# Allegro board RK_EXCAVATOR_MAIN_V12_20161114_FZBFINAL.brd (continued)
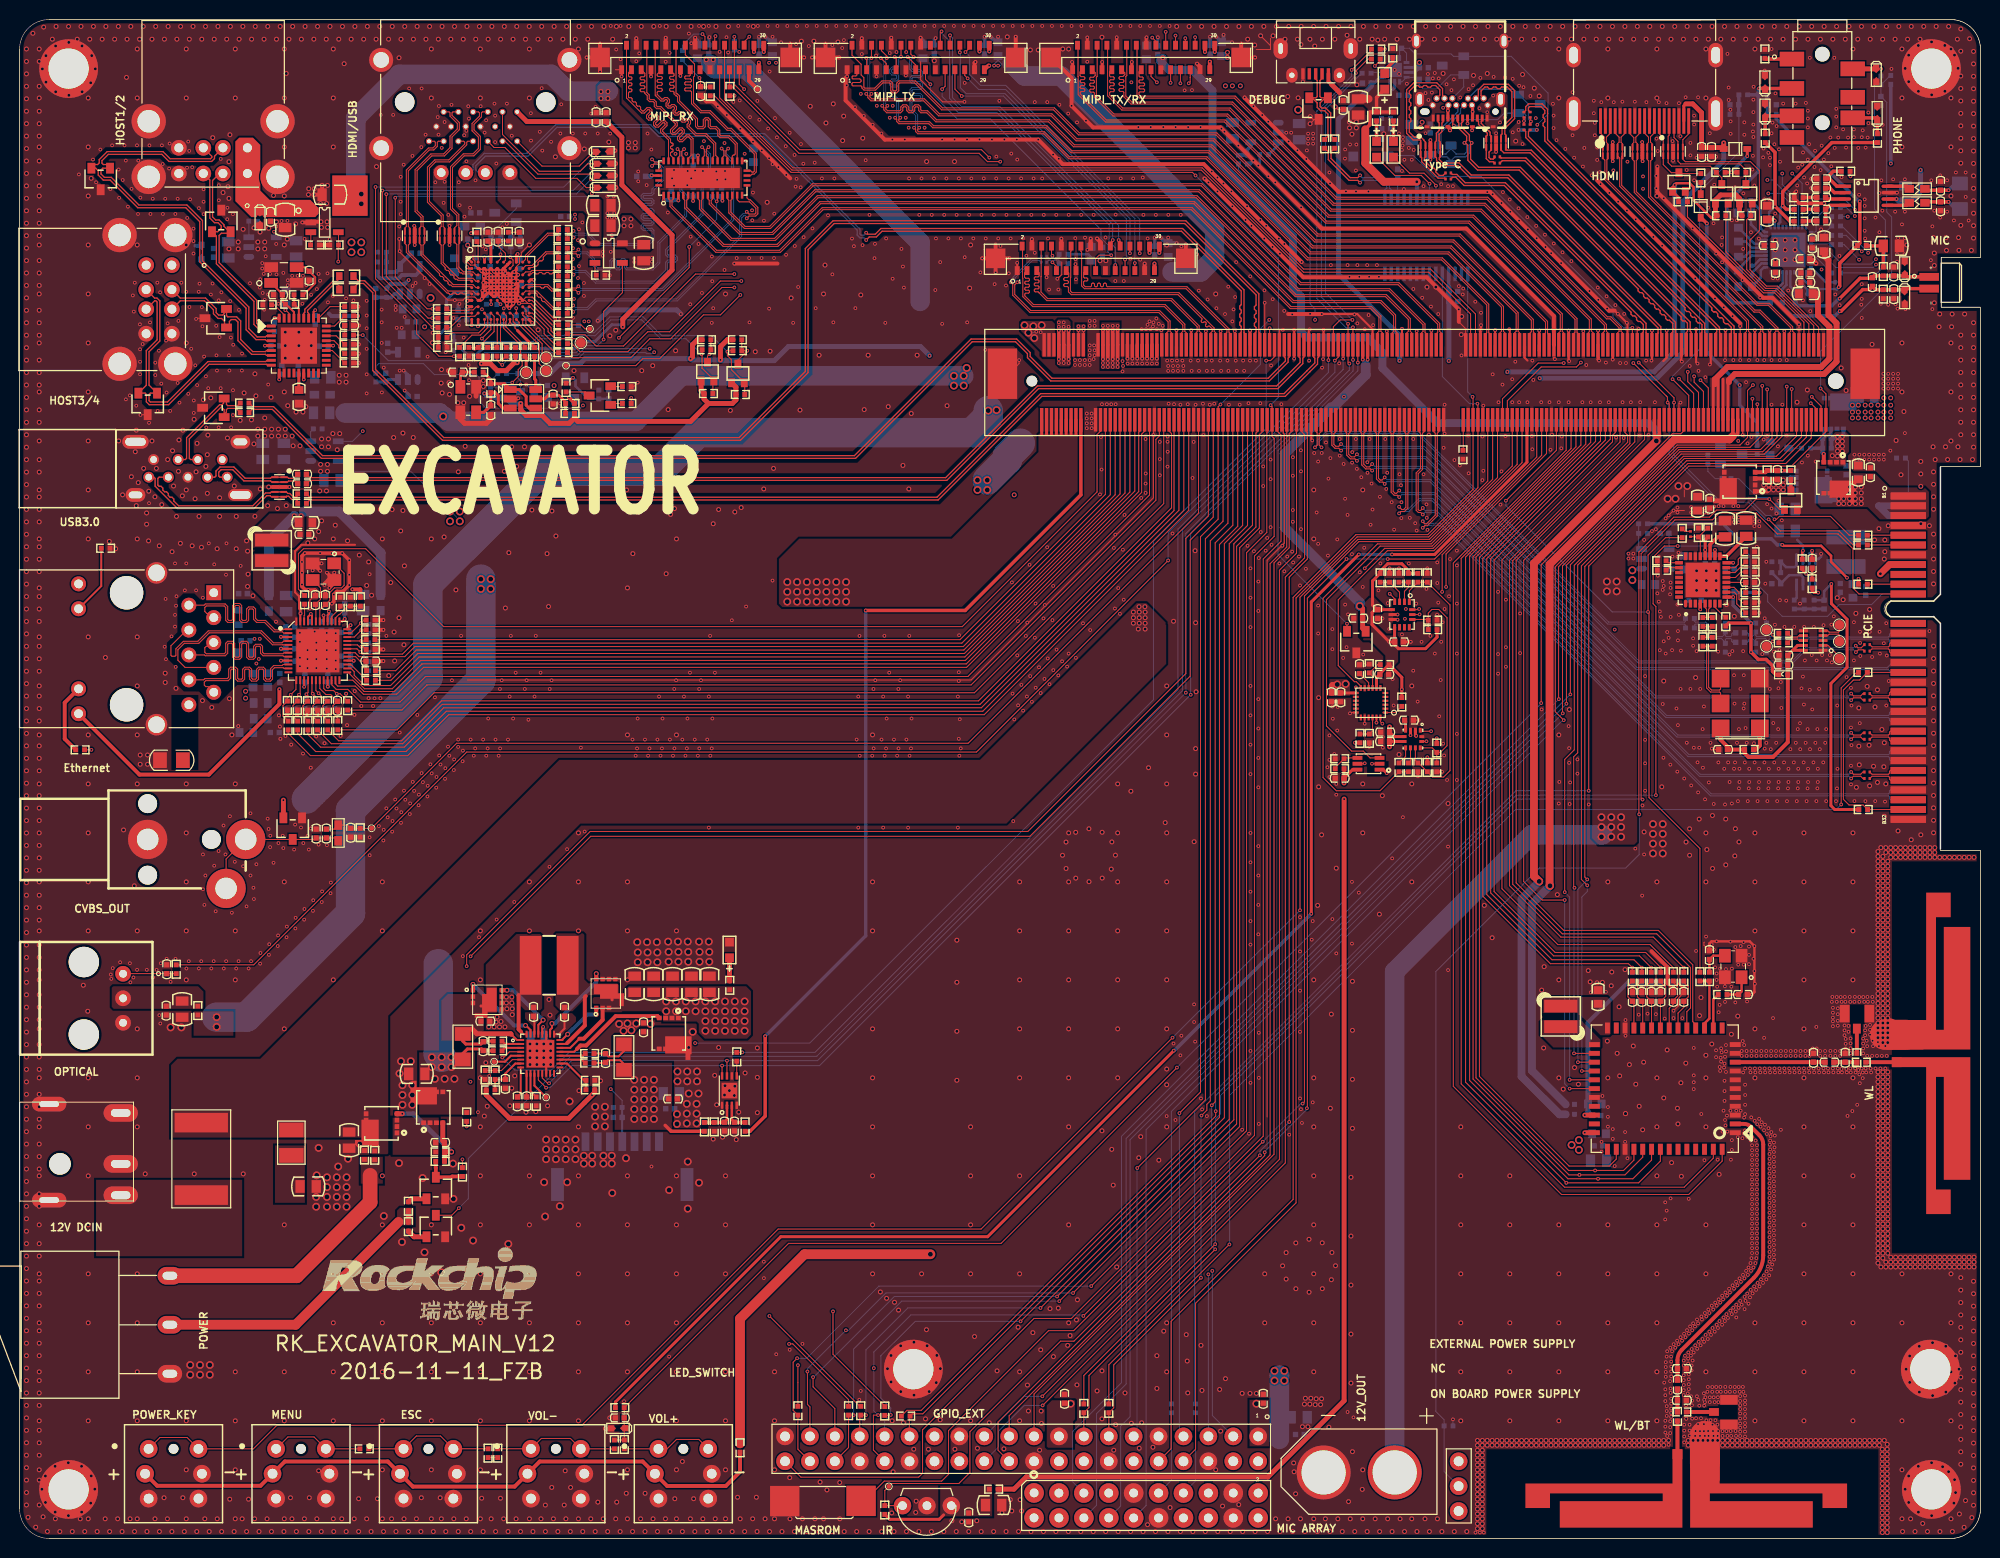
[diagram p0: board, top side]
## Routing (per net, layer and track width the routed paths; a pad name or vN(x,y) marks a point on that pad's centre or on a via; arc(x,y) is an arc through that point) (continued)
v2(131.99,154.3) v2(132,107) v2(132,102) v2(132,57) v2(132,47) v2(132,42) v2(132,37) v2(132,32) v2(132,27) v2(132,22) v2(132,17) v2(132,2) v2(132.1,152.3) v2(132.15,13.65) v2(132.25,14.25) v2(132.4,64.6) v2(132.37,0.7) v2(132.5,85.8) v2(132.5,76.7) v2(132.7,13.65) v2(132.8,71.8) v2(132.8,14.25) v2(132.88,153) v2(132.87,30.16) v2(132.88,25.49) v2(133.19,2) v2(133.26,154.3) v2(133.55,11.35) v2(133.64,0.7) v2(133.7,43.9) v2(133.8,53.5) v2(133.8,26.4) v2(133.86,29.18) v2(134.15,153) v2(134.22,27.83) v2(134.3,68.4) v2(134.53,154.3) v2(134.46,2) v2(134.91,0.7) v2(135.4,153.4) v2(135.55,3.75) v2(135.65,143.95) v2(135.73,2) v2(135.8,154.3) v2(135.8,36.85) v2(135.8,30.85) v2(135.8,25.85) v2(135.8,20.85) v2(135.8,15.85) v2(135.9,143.3) v2(135.95,56.85) v2(135.95,51.85) v2(135.95,46.85) v2(135.95,41.85) v2(135.95,8.85) v2(136.18,0.7) v2(136.35,143.95) v2(136.69,153) v2(136.95,5) v2(137,107) v2(137,77) v2(137,72) v2(137,7) v2(137,2) v2(137.07,154.3) v2(137.45,0.7) v2(137.96,153) v2(138.34,154.3) v2(138.27,2) v2(138.54,152.91) v2(138.7,63.7) v2(138.72,0.7) v2(139,75.8) v2(139.23,153) v2(139.15,143.35) v2(139.54,2) v2(139.61,154.3) v2(139.99,0.7) v2(140.5,153) v2(140.7,80) v2(140.81,2) v2(140.88,154.3) v2(141.26,0.7) v2(141.77,153) v2(142,87) v2(142,77) v2(142,67) v2(142,2) v2(142.15,154.3) v2(142.53,0.7) v2(143.04,153) v2(143.35,2) v2(143.42,154.3) v2(143.55,127.7) v2(143.8,0.7) v2(144.31,153) v2(144.45,127.7) v2(144.62,2) v2(144.69,154.3) v2(145.07,0.7) v2(145.2,149.5) v2(145.58,153) v2(145.7,75) v2(145.96,154.3) v2(146.34,0.7) v2(146.85,153) v2(147,42) v2(147,37) v2(147,32) v2(147,27) v2(147,22) v2(147,17) v2(147,12) v2(147.1,124.7) v2(147.05,122.85) v2(147.23,154.3) v2(147.61,0.7) v2(148.12,153) v2(148.3,149.3) v2(148.5,154.3) v2(148.7,10) v2(148.7,9.5) v2(148.7,9) v2(148.7,8.5) v2(148.7,8) v2(148.7,7.5) v2(148.7,7) v2(148.7,6.5) v2(148.7,6) v2(148.7,5.5) v2(148.7,5) v2(148.7,4.5) v2(148.7,4) v2(148.7,3.5) v2(148.7,3) v2(148.7,2.5) v2(148.7,2) v2(148.7,1.5) v2(148.7,1) v2(149.2,10) v2(149.2,9.5) v2(149.2,9) v2(149.2,8.5) v2(149.2,8) v2(149.2,7.5) v2(149.2,7) v2(149.2,6.5) v2(149.2,6) v2(149.2,5.5) v2(149.2,5) v2(149.2,4.5) v2(149.2,4) v2(149.2,3.5) v2(149.2,3) v2(149.2,2.5) v2(149.2,2) v2(149.2,1.5) v2(149.2,1) v2(149.39,153) v2(149.4,64.6) v2(149.7,149.5) v2(149.7,10) v2(149.7,9.5) v2(149.77,154.3) v2(150.2,61.3) v2(150.2,10) v2(150.2,9.5) v2(150.66,153) v2(150.7,10) v2(150.7,9.5) v2(151.04,154.3) v2(151.2,10) v2(151.2,9.5) v2(151.7,10) v2(151.7,9.5) v2(151.93,153) v2(152,37) v2(152,32) v2(152,27) v2(152,22) v2(152,17) v2(152,12) v2(152.2,10) v2(152.2,9.5) v2(152.31,154.3) v2(152.6,142.6) v2(152.7,10) v2(152.7,9.5) v2(153.2,153) v2(153.2,10) v2(153.2,9.5) v2(153.3,149.4) v2(153.58,154.3) v2(153.7,10) v2(153.7,9.5) v2(154.2,10) v2(154.2,9.5) v2(154.47,153) v2(154.5,148) v2(154.7,10) v2(154.7,9.5) v2(154.85,154.3) v2(155,147.2) v2(155.2,10) v2(155.2,9.5) v2(155.25,55.95) v2(155.5,58.35) v2(155.45,50.05) v2(155.74,153) v2(155.7,10) v2(155.7,9.5) v2(156.12,154.3) v2(156.2,10) v2(156.2,9.5) v2(156.7,10) v2(156.7,9.5) v2(156.85,65.7) v2(157.01,153) v2(157,152) v2(157,147) v2(157,82) v2(157,57) v2(157,47) v2(157,32) v2(157,27) v2(157,22) v2(157,17) v2(157,12) v2(157.2,10) v2(157.2,9.5) v2(157.39,154.3) v2(157.45,45.85) v2(157.7,10) v2(157.7,9.5) v2(158.07,84.59) v2(158.2,10) v2(158.2,9.5) v2(158.28,153) v2(158.6,48.05) v2(158.66,154.3) v2(158.7,10) v2(158.7,9.5) v2(159,46.35) v2(159.2,10) v2(159.2,9.5) v2(159.55,153) v2(159.7,10) v2(159.7,9.5) v2(159.93,154.3) v2(160,57.95) v2(160.2,56.8) v2(160.2,10) v2(160.2,9.5) v2(160.7,10) v2(160.7,9.5) v2(160.82,153) v2(160.9,56.7) v2(161.2,154.3) v2(161.2,10) v2(161.2,9.5) v2(161.45,56.75) v2(161.7,10) v2(161.7,9.5) v2(162,152) v2(162,147) v2(162,67) v2(161.95,50.75) v2(162,47) v2(162,32) v2(162,27) v2(162,22) v2(162,17) v2(162,12) v2(162.09,153) v2(162.2,10) v2(162.2,9.5) v2(162.4,57.8) v2(162.35,56.4) v2(162.47,154.3) v2(162.7,10) v2(162.7,9.5) v2(162.95,49.5) v2(163.15,54.25) v2(163.2,47.2) v2(163.2,10) v2(163.2,9.5) v2(163.36,153) v2(163.74,154.3) v2(163.75,58.05) v2(163.7,10) v2(163.7,9.5) v2(163.8,43.35) v2(163.8,43.35) v2(164.2,48.35) v2(164.2,10) v2(164.2,9.5) v2(164.63,153) v2(164.6,50.25) v2(164.7,10) v2(164.7,9.5) v2(164.85,46.35) v2(165.01,154.3) v2(165.2,44.1) v2(165.2,10) v2(165.2,9.5) v2(165.55,41.7) v2(165.7,72.1) v2(165.65,48.6) v2(165.7,10) v2(165.7,9.5) v2(165.9,153) v2(166.2,10) v2(166.2,9.5) v2(166.28,154.3) v2(166.7,10) v2(166.7,9.5) v2(167,152) v2(167,147) v2(167,137) v2(167,67) v2(167,47) v2(167,42) v2(167,37) v2(167,32) v2(167,27) v2(167,22) v2(167,17) v2(167,12) v2(167.17,153) v2(167.2,10) v2(167.2,9.5) v2(167.55,154.3) v2(167.5,76.7) v2(167.7,87.5) v2(167.7,44.95) v2(167.7,10) v2(167.7,9.5) v2(168.05,49.85) v2(168.2,10) v2(168.44,153) v2(168.5,38.35) v2(168.82,154.3) v2(169.1,43.9) v2(169.15,42.3) v2(169.45,46.5) v2(169.5,36.95) v2(169.71,153) v2(169.97,71.07) v2(169.95,48.5) v2(170.09,154.3) v2(170.2,10) v2(170.2,9.5) v2(170.33,72.42) v2(170.34,69.72) v2(170.7,10) v2(170.98,153) v2(170.95,87.85) v2(171.05,98.75) v2(171.05,97.75) v2(171.05,96.75) v2(171.2,10) v2(171.32,73.41) v2(171.36,154.3) v2(171.35,53.35) v2(171.5,55.2) v2(171.7,10) v2(172,152) v2(172,147) v2(172,72) v2(172,67) v2(172,49.3) v2(172,47) v2(172,42) v2(172,32) v2(172,27) v2(172,17) v2(172.05,98.75) v2(172.05,97.75) v2(172.05,96.75) v2(172.1,70.3) v2(172.2,10) v2(172.25,153) v2(172.63,154.3) v2(172.6,50.45) v2(172.67,73.77) v2(172.68,68.37) v2(172.7,10) v2(173.05,98.75) v2(173.05,97.75) v2(173.05,96.75) v2(173.2,10) v2(173.35,37.15) v2(173.52,153) v2(173.7,10) v2(173.7,9.5) v2(173.9,154.3) v2(174.02,73.41) v2(174.03,68.74) v2(174.1,95.3) v2(174.2,10) v2(174.2,9.5) v2(174.6,51.45) v2(174.7,10) v2(174.7,9.5) v2(174.79,153) v2(174.9,94.1) v2(174.95,69.65) v2(175.01,72.43) v2(175.17,154.3) v2(175.2,10) v2(175.2,9.5) v2(175.25,53.3) v2(175.37,71.08) v2(175.7,10) v2(175.7,9.5) v2(176.06,153) v2(176.2,10) v2(176.2,9.5) v2(176.44,154.3) v2(176.7,10) v2(176.7,9.5) v2(177,152) v2(177,72) v2(177,67) v2(177,62) v2(177,52) v2(177,47) v2(177,22) v2(177,17) v2(177,12) v2(177.2,10) v2(177.2,9.5) v2(177.33,153) v2(177.71,154.3) v2(177.7,10) v2(177.7,9.5) v2(178.2,10) v2(178.2,9.5) v2(178.6,153) v2(178.7,10) v2(178.7,9.5) v2(178.98,154.3) v2(179.09,132.5) v2(179.09,131.5) v2(179.09,130.5) v2(179.2,10) v2(179.2,9.5) v2(179.7,10) v2(179.7,9.5) v2(179.87,153) v2(180.09,132.5) v2(180.09,131.5) v2(180.09,130.5) v2(180.25,154.3) v2(180.2,10) v2(180.2,9.5) v2(180.7,10) v2(180.7,9.5) v2(181.14,153) v2(181.09,132.5) v2(181.09,131.5) v2(181.09,130.5) v2(181.2,10) v2(181.2,9.5) v2(181.3,115.95) v2(181.52,154.3) v2(181.7,10) v2(181.7,9.5) v2(182,72) v2(182,67) v2(182,62) v2(182,57) v2(182,52) v2(182,47) v2(182,42) v2(182,37) v2(182,32) v2(182,27) v2(182,22) v2(182,17) v2(182,12) v2(182.2,10) v2(182.2,9.5) v2(182.41,153) v2(182.35,117.2) v2(182.7,10) v2(182.7,9.5) v2(182.79,154.3) v2(183.2,10) v2(183.2,9.5) v2(183.68,153) v2(183.7,10) v2(183.7,9.5) v2(184.06,154.3) v2(184.2,10) v2(184.2,9.5) v2(184.7,10) v2(184.7,9.5) v2(184.95,153) v2(185.2,10) v2(185.2,9.5) v2(185.33,154.3) v2(185.7,10) v2(185.7,9.5) v2(185.8,119.45) v2(186,95.8) v2(186.22,153) v2(186.2,10) v2(186.2,9.5) v2(186.3,117.15) v2(186.6,154.3) v2(186.7,10) v2(186.7,9.5) v2(187,152) v2(187,72) v2(187,67) v2(187,62) v2(187,57) v2(187,47) v2(187,42) v2(187,37) v2(187,32) v2(187,27) v2(187,22) v2(187,17) v2(187,12) v2(187.2,10) v2(187.2,9.5) v2(187.3,94.4) v2(187.35,76.65) v2(187.49,153) v2(187.6,84.75) v2(187.6,80.85) v2(187.65,78.95) v2(187.7,10) v2(187.7,9.5) v2(187.87,154.3) v2(188.2,10) v2(188.2,9.5) v2(188.45,86.95) v2(188.7,94.8) v2(188.65,80.95) v2(188.7,76.8) v2(188.7,10) v2(188.7,9.5) v2(188.76,153) v2(188.95,121.85) v2(189.14,154.3) v2(189.1,78.8) v2(189.2,101.9) v2(189.2,10) v2(189.2,9.5) v2(189.25,84.85) v2(189.5,86.6) v2(189.5,77.15) v2(189.55,70.1) v2(189.55,69.6) v2(189.55,69.1) v2(189.55,68.6) v2(189.55,68.1) v2(189.55,67.6) v2(189.55,67.1) v2(189.55,66.6) v2(189.55,66.1) v2(189.55,65.6) v2(189.55,65.1) v2(189.55,64.6) v2(189.55,64.1) v2(189.55,63.6) v2(189.55,63.1) v2(189.55,62.6) v2(189.55,62.1) v2(189.55,61.6) v2(189.55,61.1) v2(189.55,60.6) v2(189.55,60.1) v2(189.55,59.6) v2(189.55,59.1) v2(189.55,58.6) v2(189.55,58.1) v2(189.55,57.6) v2(189.55,57.1) v2(189.55,56.6) v2(189.55,56.1) v2(189.55,55.6) v2(189.55,55.1) v2(189.55,54.6) v2(189.55,54.1) v2(189.55,53.6) v2(189.55,53.1) v2(189.55,52.6) v2(189.55,52.1) v2(189.55,51.6) v2(189.55,51.1) v2(189.55,47.6) v2(189.55,47.1) v2(189.55,46.6) v2(189.55,46.1) v2(189.55,45.6) v2(189.55,45.1) v2(189.55,44.6) v2(189.55,44.1) v2(189.55,43.6) v2(189.55,43.1) v2(189.55,42.6) v2(189.55,42.1) v2(189.55,41.6) v2(189.55,41.1) v2(189.55,40.6) v2(189.55,40.1) v2(189.55,39.6) v2(189.55,39.1) v2(189.55,38.6) v2(189.55,38.1) v2(189.55,37.6) v2(189.55,37.1) v2(189.55,36.6) v2(189.55,36.1) v2(189.55,35.6) v2(189.55,35.1) v2(189.55,34.6) v2(189.55,34.1) v2(189.55,33.6) v2(189.55,33.1) v2(189.55,32.6) v2(189.55,32.1) v2(189.55,31.6) v2(189.55,31.1) v2(189.55,30.6) v2(189.55,30.1) v2(189.55,29.6) v2(189.55,29.1) v2(189.55,28.6) v2(189.55,28.1) v2(189.65,103.05) v2(189.7,10) v2(189.7,9.5) v2(189.85,70.5) v2(189.85,27.7) v2(190.03,153) v2(189.95,82.55) v2(190.05,69.6) v2(190.05,69.1) v2(190.05,68.6) v2(190.05,68.1) v2(190.05,67.6) v2(190.05,67.1) v2(190.05,66.6) v2(190.05,66.1) v2(190.05,65.6) v2(190.05,65.1) v2(190.05,64.6) v2(190.05,64.1) v2(190.05,63.6) v2(190.05,63.1) v2(190.05,62.6) v2(190.05,62.1) v2(190.05,61.6) v2(190.05,61.1) v2(190.05,60.6) v2(190.05,60.1) v2(190.05,59.6) v2(190.05,59.1) v2(190.05,58.6) v2(190.05,58.1) v2(190.05,57.6) v2(190.05,57.1) v2(190.05,56.6) v2(190.05,56.1) v2(190.05,55.6) v2(190.05,55.1) v2(190.05,54.6) v2(190.05,54.1) v2(190.05,53.6) v2(190.05,53.1) v2(190.05,52.6) v2(190.05,52.1) v2(190.05,51.6) v2(190.05,51.1) v2(190.05,50.6) v2(190.05,47.6) v2(190.05,47.1) v2(190.05,46.6) v2(190.05,46.1) v2(190.05,45.6) v2(190.05,45.1) v2(190.05,44.6) v2(190.05,44.1) v2(190.05,43.6) v2(190.05,43.1) v2(190.05,42.6) v2(190.05,42.1) v2(190.05,41.6) v2(190.05,41.1) v2(190.05,40.6) v2(190.05,40.1) v2(190.05,39.6) v2(190.05,39.1) v2(190.05,38.6) v2(190.05,38.1) v2(190.05,37.6) v2(190.05,37.1) v2(190.05,36.6) v2(190.05,36.1) v2(190.05,35.6) v2(190.05,35.1) v2(190.05,34.6) v2(190.05,34.1) v2(190.05,33.6) v2(190.05,33.1) v2(190.05,32.6) v2(190.05,32.1) v2(190.05,31.6) v2(190.05,31.1) v2(190.05,30.6) v2(190.05,30.1) v2(190.05,29.6) v2(190.05,29.1) v2(190.05,28.6) v2(190,9.1) v2(190,8.6) v2(190,8.1) v2(190,7.6) v2(190,7.1) v2(190,6.6) v2(190,6.1) v2(190,5.6) v2(190,5.1) v2(190,4.6) v2(190,4.1) v2(190,3.6) v2(190,3.1) v2(190,2.6) v2(190,2.1) v2(190,1.6) v2(190,1.1) v2(190,0.6) v2(190.2,99.95) v2(190.2,81.2) v2(190.15,78.75) v2(190.2,73.7) v2(190.2,10) v2(190.25,101.9) v2(190.25,100.7) v2(190.35,70.5) v2(190.35,70) v2(190.35,28.2) v2(190.35,27.7) v2(190.41,154.3) v2(190.35,77) v2(190.55,69.1) v2(190.55,68.6) v2(190.55,68.1) v2(190.55,67.6) v2(190.55,67.1) v2(190.55,66.6) v2(190.55,66.1) v2(190.55,65.6) v2(190.55,65.1) v2(190.55,64.6) v2(190.55,64.1) v2(190.55,63.6) v2(190.55,63.1) v2(190.55,62.6) v2(190.55,62.1) v2(190.55,61.6) v2(190.55,61.1) v2(190.55,60.6) v2(190.55,60.1) v2(190.55,59.6) v2(190.55,59.1) v2(190.55,58.6) v2(190.55,58.1) v2(190.55,57.6) v2(190.55,57.1) v2(190.55,56.6) v2(190.55,56.1) v2(190.55,55.6) v2(190.55,55.1) v2(190.55,54.6) v2(190.55,54.1) v2(190.55,53.6) v2(190.55,53.1) v2(190.55,52.6) v2(190.55,52.1) v2(190.55,51.1) v2(190.55,50.6) v2(190.55,47.6) v2(190.55,47.1) v2(190.55,46.6) v2(190.55,46.1) v2(190.55,45.6) v2(190.55,45.1) v2(190.55,44.6) v2(190.55,44.1) v2(190.55,43.6) v2(190.55,43.1) v2(190.55,42.6) v2(190.55,42.1) v2(190.55,41.6) v2(190.55,41.1) v2(190.55,40.6) v2(190.55,40.1) v2(190.55,39.6) v2(190.55,39.1) v2(190.55,38.6) v2(190.55,38.1) v2(190.55,37.6) v2(190.55,37.1) v2(190.55,36.6) v2(190.55,36.1) v2(190.55,35.6) v2(190.55,35.1) v2(190.55,34.6) v2(190.55,34.1) v2(190.55,33.6) v2(190.55,33.1) v2(190.55,32.6) v2(190.55,32.1) v2(190.55,31.6) v2(190.55,31.1) v2(190.55,30.6) v2(190.55,30.1) v2(190.55,29.6) v2(190.55,29.1) v2(190.5,9.6) v2(190.5,9.1) v2(190.5,8.6) v2(190.5,8.1) v2(190.5,7.6) v2(190.5,7.1) v2(190.5,6.6) v2(190.5,6.1) v2(190.5,5.6) v2(190.5,5.1) v2(190.5,4.6) v2(190.5,4.1) v2(190.5,3.6) v2(190.5,3.1) v2(190.5,2.6) v2(190.5,2.1) v2(190.5,1.6) v2(190.5,1.1) v2(190.5,0.6) v2(190.6,103.35) v2(190.85,70.5) v2(190.85,70) v2(190.85,69.5) v2(190.85,28.7) v2(190.85,28.2) v2(190.85,27.7) v2(191.3,153) v2(191.35,70.5) v2(191.35,70) v2(191.35,69.5) v2(191.35,28.7) v2(191.35,28.2) v2(191.35,27.7) v2(191.4,112.05) v2(191.6,72.2) v2(191.68,154.3) v2(191.85,70.5) v2(191.85,70) v2(191.85,69.5) v2(191.85,28.7) v2(191.85,28.2) v2(191.85,27.7) v2(191.9,108.55) v2(192,152) v2(192,147) v2(192,142) v2(192,122) v2(192,117) v2(192,27) v2(192,22) v2(192,12) v2(192,7) v2(192,2) v2(192.06,0.7) v2(192.2,115) v2(192.32,150.02) v2(192.35,70.5) v2(192.35,70) v2(192.35,69.5) v2(192.35,28.7) v2(192.35,28.2) v2(192.35,27.7) v2(192.32,5.02) v2(192.42,17.27) v2(192.5,132) v2(192.57,153) v2(192.68,151.37) v2(192.69,148.67) v2(192.68,6.37) v2(192.69,3.67) v2(192.85,70.5) v2(192.85,70) v2(192.85,69.5) v2(192.85,28.7) v2(192.85,28.2) v2(192.85,27.7) v2(192.78,18.62) v2(192.79,15.92) v2(192.95,154.3) v2(192.88,2) v2(192.95,71.3) v2(193.33,0.7) v2(193.35,70.5) v2(193.35,70) v2(193.35,69.5) v2(193.35,28.7) v2(193.35,28.2) v2(193.35,27.7) v2(193.67,152.36) v2(193.68,147.68) v2(193.67,7.36) v2(193.68,2.68) v2(193.84,153) v2(193.77,19.61) v2(193.78,14.93) v2(193.92,109.91) v2(193.92,108.64) v2(193.92,107.37) v2(193.92,103.56) v2(193.92,71.81) v2(193.85,70.5) v2(193.85,70) v2(193.85,69.5) v2(193.85,28.7) v2(193.85,28.2) v2(193.85,27.7) v2(194.11,1.52) v2(194.22,154.3) v2(194.35,70.5) v2(194.35,70) v2(194.35,69.5) v2(194.35,28.7) v2(194.35,28.2) v2(194.35,27.7) v2(194.6,0.7) v2(194.8,103.35) v2(194.85,70.5) v2(194.85,70) v2(194.85,69.5) v2(194.85,28.7) v2(194.85,28.2) v2(194.85,27.7) v2(195.02,152.72) v2(195.03,147.32) v2(195.02,7.72) v2(195.03,2.32) v2(195.12,19.97) v2(195.13,14.57) v2(195.23,132.75) v2(195.17,111.4) v2(195.22,108.84) v2(195.22,107.57) v2(195.22,106.3) v2(195.22,105.03) v2(195.22,102.49) v2(195.22,101.22) v2(195.22,99.95) v2(195.22,98.68) v2(195.22,97.41) v2(195.22,91.06) v2(195.22,89.79) v2(195.22,88.52) v2(195.22,87.25) v2(195.22,85.98) v2(195.22,84.71) v2(195.22,83.44) v2(195.22,82.17) v2(195.22,80.9) v2(195.22,79.63) v2(195.22,78.36) v2(195.22,77.09) v2(195.22,75.82) v2(195.22,74.55) v2(195.22,73.28) v2(195.22,72.01) v2(195.3,131.18) v2(195.3,129.91) v2(195.3,126.1) v2(195.39,110.1) v2(195.35,70.5) v2(195.35,70) v2(195.35,69.5) v2(195.35,28.7) v2(195.35,28.2) v2(195.35,27.7) v2(195.49,154.3) v2(195.85,124.95) v2(195.79,123.65) v2(195.85,69.5) v2(195.85,28.7) v2(195.85,28.2) v2(195.85,27.7) v2(195.87,0.7) v2(196.15,7.32) v2(196.37,152.36) v2(196.38,147.69) v2(196.44,111.4) v2(196.35,69.5) v2(196.35,28.7) v2(196.35,28.2) v2(196.35,27.7) v2(196.38,2.69) v2(196.5,132.75) v2(196.54,131.45) v2(196.47,19.61) v2(196.48,14.94) v2(196.66,110.1) v2(196.76,154.3) v2(196.76,6.81) v2(196.85,69.5) v2(196.85,28.7) v2(196.85,28.2) v2(196.85,27.7) v2(197,152) v2(197,147) v2(197,142) v2(197,137) v2(197,122) v2(197,117) v2(197,112) v2(197,27) v2(197,22) v2(197,17) v2(197,12) v2(197,2) v2(197.12,124.95) v2(197.06,123.65) v2(197.14,0.7) v2(197.3,3.6) v2(197.36,151.38) v2(197.35,69.5) v2(197.35,28.7) v2(197.35,28.2) v2(197.35,27.7) v2(197.4,15.85) v2(197.37,5.99) v2(197.46,18.63) v2(197.47,4.67) v2(197.65,153) v2(197.72,150.03) v2(197.71,111.4) v2(197.77,132.75) v2(197.81,131.45) v2(197.82,17.28) v2(197.93,110.1) v2(197.85,69.5) v2(197.85,28.7) v2(197.85,28.2) v2(197.85,27.7) v2(197.86,2.49) v2(198,154.05) v2(198,151.78) v2(198,149.24) v2(198,147.97) v2(198,146.7) v2(198,145.43) v2(198,144.16) v2(198,142.89) v2(198,141.62) v2(198,140.35) v2(198,134) v2(198,122.8) v2(198,121.53) v2(198,120.26) v2(198,118.99) v2(198,117.72) v2(198,116.45) v2(198,115.18) v2(198,113.91) v2(198,112.64) v2(198,26.61) v2(198,25.34) v2(198,24.07) v2(198,22.8) v2(198,21.53) v2(198,20.26) v2(198,18.99) v2(198,16.45) v2(198,15.18) v2(198,13.91) v2(198,12.64) v2(198,11.37) v2(198,10.1) v2(198,8.83) v2(198,7.56) v2(198.34,1.13) v2(198.39,124.95) v2(198.35,69.5) v2(198.35,28.7) v2(198.35,28.2) v2(198.35,27.7) v2(198.48,3.86) v2(198.9,153.05) v2(198.85,69.5) v2(198.85,28.7) v2(198.85,28.2) v2(198.85,27.7) v2(199.08,131.45) v2(199.13,2.12) v2(199.2,110.1) v2(199.3,151.75) v2(199.3,150.48) v2(199.3,149.21) v2(199.3,147.94) v2(199.3,146.67) v2(199.3,145.4) v2(199.3,144.13) v2(199.3,142.86) v2(199.3,141.59) v2(199.3,140.32) v2(199.3,139.05) v2(199.3,137.78) v2(199.3,136.51) v2(199.3,135.24) v2(199.3,133.97) v2(199.3,132.7) v2(199.3,124.07) v2(199.3,122.8) v2(199.3,121.53) v2(199.3,120.26) v2(199.3,118.99) v2(199.3,117.72) v2(199.3,116.45) v2(199.3,115.18) v2(199.3,113.91) v2(199.3,112.64) v2(199.3,111.37) v2(199.35,69.5) v2(199.35,28.7) v2(199.35,28.2) v2(199.35,27.7) v2(199.3,26.24) v2(199.3,24.97) v2(199.3,23.7) v2(199.3,22.43) v2(199.3,21.16) v2(199.3,19.89) v2(199.3,18.62) v2(199.3,17.35) v2(199.3,16.08) v2(199.3,14.81) v2(199.3,13.54) v2(199.3,12.27) v2(199.3,11) v2(199.3,9.73) v2(199.3,8.46) v2(199.3,7.19) v2(199.3,5.92) v2(199.3,4.65) v2(199.3,3.38) v3(15.4,52.15) v3(16.5,52.15) v3(17.4,17.7) v3(17.4,16.7) v3(18.4,17.7) v3(18.4,16.7) v3(19.4,17.7) v3(19.4,16.7) v3(30.3,37.05) v3(30.25,34.85) v3(30.25,33.85) v3(30.5,39.85) v3(31.35,36.85) v3(31.35,35.85) v3(31.35,34.85) v3(31.35,33.85) v3(32.35,36.85) v3(32.35,35.85) v3(32.35,34.85) v3(32.35,33.85) v3(32.5,37.95) v3(33.35,36.85) v3(33.35,35.85) v3(33.35,34.85) v3(33.35,33.85) v3(33.5,38.75) v3(34.7,40.25) v3(37.15,32.9) v3(38.75,47.45) v3(38.7,38.3) v3(38.9,48.7) v3(39.05,46.25) v3(39.05,45.25) v3(39.05,44.25) v3(39,30.25) v3(39.9,48.7) v3(40.05,46.25) v3(40.05,45.25) v3(40.05,44.25) v3(41.1,36.78) v3(41.3,29.2) v3(43,27.15) v3(44.2,38.25) v3(44.25,34.65) v3(45.05,31.7) v3(46.25,30.4) v3(49.85,30.05) v3(53.5,36.35) v3(53.6,32.85) v3(53.7,40.7) v3(53.7,39.7) v3(53.7,38.7) v3(54.7,40.7) v3(54.7,39.7) v3(54.7,38.7) v3(55.1,33.9) v3(55.7,40.7) v3(55.7,39.7) v3(55.7,38.7) v3(55.85,36.35) v3(56.1,44.6) v3(56.7,40.7) v3(56.7,39.7) v3(56.7,38.7) v3(57.55,39.05) v3(57.55,38.25) v3(58.4,39.05) v3(58.4,38.25) v3(58.7,44.05) v3(58.7,43.05) v3(58.7,42.05) v3(59.55,39.05) v3(59.55,38.25) v3(59.7,44.05) v3(59.7,43.05) v3(59.7,42.05) v3(60.4,39.05) v3(60.4,38.25) v3(60.45,35.25) v3(61.15,52.5) v3(61.6,51.8) v3(61.85,38.8) v3(62,52.55) v3(62.4,51.85) v3(62.9,52.55) v3(63,60.85) v3(63.05,59.8) v3(63.05,58.8) v3(64,60.85) v3(64.05,59.8) v3(64.05,58.8) v3(64.35,52.5) v3(65,60.85) v3(65.05,59.8) v3(65.05,58.8) v3(66.15,60.9) v3(66.2,59.85) v3(66.2,58.85) v3(66.25,35.55) v3(67.1,47.65) v3(67.1,46.65) v3(67.05,43.3) v3(67.05,42.3) v3(67.15,60.9) v3(67.2,59.85) v3(67.2,58.85) v3(68.1,47.65) v3(68.1,46.65) v3(68.05,44.35) v3(68.05,43.35) v3(68.05,42.35) v3(68.15,60.9) v3(68.2,59.85) v3(68.2,58.85) v3(68.15,38.45) v3(68.15,33.65) v3(68.25,45.4) v3(68.65,51.7) v3(69.1,47.65) v3(69.1,46.65) v3(69.05,44.35) v3(69.05,43.35) v3(69.05,42.35) v3(69.3,60.9) v3(69.25,45.4) v3(69.3,36.3) v3(69.35,59.85) v3(69.35,58.85) v3(70.3,60.9) v3(70.35,59.85) v3(70.35,58.85) v3(166.6,72.9) v3(166.6,71.9) v3(166.6,70.9) v3(166.6,69.9) v3(167.6,72.9) v3(167.6,71.9) v3(167.6,70.9) v3(167.6,69.9) v4(22.3,82.9) v4(26.15,93.55) v4(26.45,84) v4(26.55,82.85) v4(26.6,81.6) v4(27.7,81) v4(28.59,92.41) v4(28.59,91.5) v4(28.59,89.87) v4(28.59,89.01) v4(29.37,90.65) v4(29.37,89.74) v4(29.37,88.82) v4(29.7,78.65) v4(30.1,92.55) v4(30.27,91.41) v4(30.27,90.65) v4(30.27,89.74) v4(30.27,88.82) v4(30.25,81.85) v4(31.1,81.15) v4(31.33,92.41) v4(31.33,91.57) v4(31.33,90.65) v4(31.33,89.74) v4(31.33,88.77) v4(32.25,92.38) v4(32.25,91.57) v4(32.25,90.65) v4(32.25,89.58) v4(32.25,88.72) v4(32.75,81.9) v4(33.3,86.2) v4(33.4,83) v4(34.18,86.47) v4(34.15,84.05) v4(34.85,84.95) v4(35.6,85.75) v4(36.05,84.95) v4(36.8,85.75) v5(140.7,143.4) v5(141.1,143) v5(141.1,142.6) v5(143.4,143.4) v5(149.7,145.55)
